# EAGLE board Mk4 Final Panel 8up 4x2 (EAGLE 9.0.1), part 2 of 23
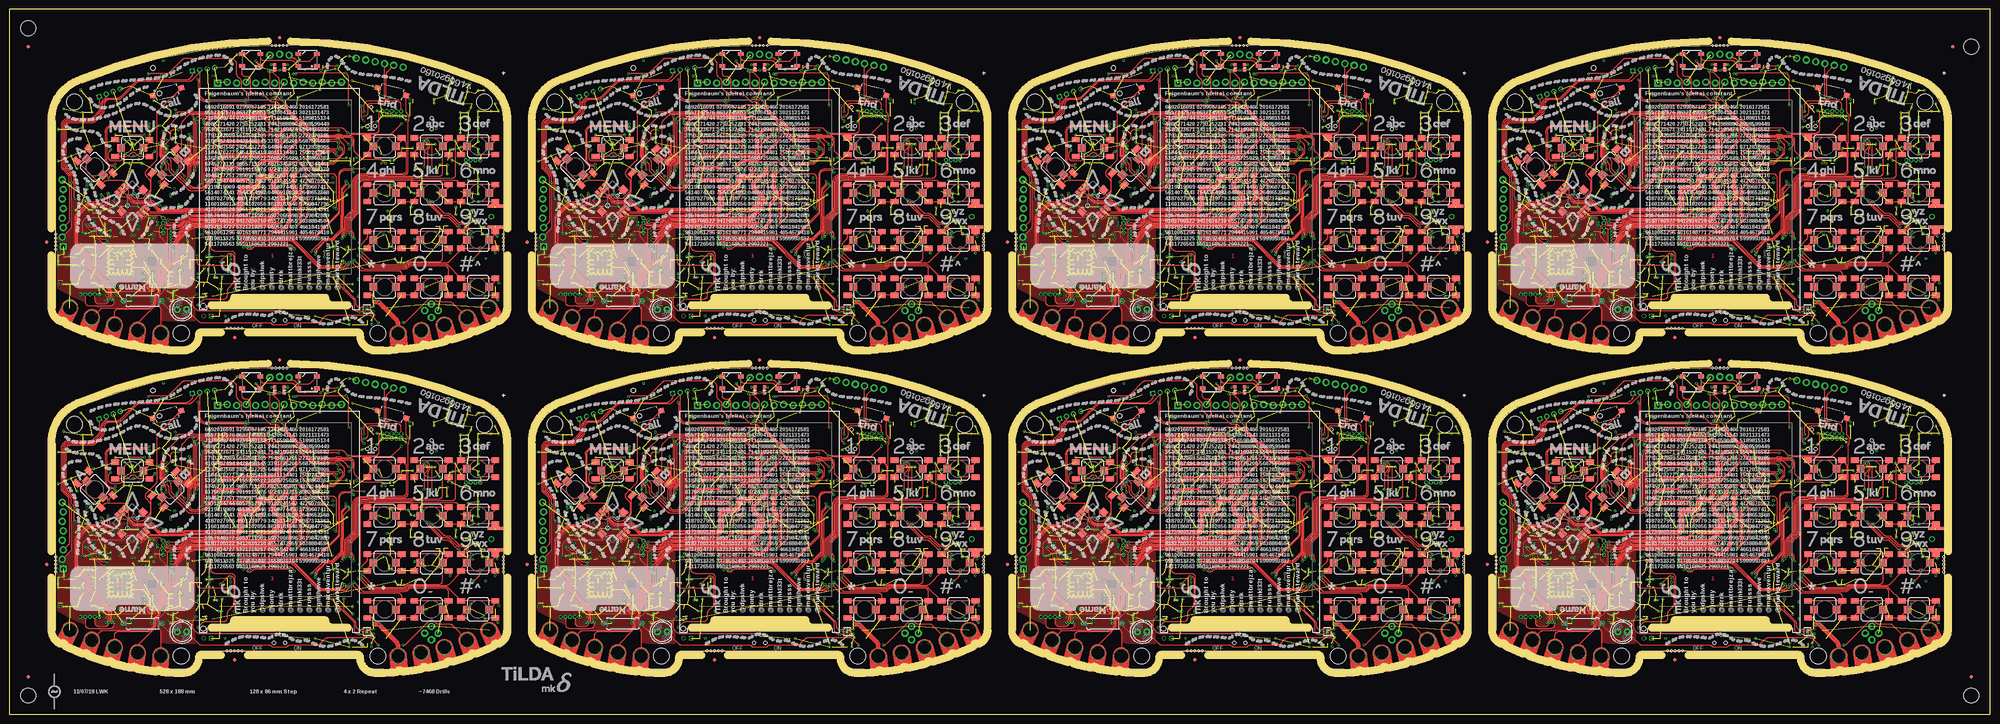
[diagram p0: board, top side]
## Placement (x,y rotation side) (continued)
C505  0402/100n/10V/X5R  [C0402-SMALLER]  352,67 0 bottom
C506  0402/100n/10V/X5R  [C0402-SMALLER]  352,66 0 bottom
C507  0402/220n/6V3/X5R  [C0402-SMALLER]  291.95,70.45 180 bottom
C508  0402/220n/6V3/X5R  [C0402-SMALLER]  291.95,71.45 180 bottom
C509  0402/100n/10V/X5R  [C0402-SMALLER]  289.05,61.45 270 bottom
C510  0402/100n/10V/X5R  [C0402-SMALLER]  285,49.25 180 bottom
C511  0402/100n/10V/X5R  [C0402-SMALLER]  276.25,41 270 bottom
C512  0402/100n/10V/X5R  [C0402-SMALLER]  279.5,35.25 0 bottom
C513  0805/10u/10V/X5R  [C0805-N]  279.85,46.1 90 bottom
C514  0402/100n/10V/X5R  [C0402-SMALLER]  282.1,42.25 90 bottom
C515  0402/100n/10V/X5R  [C0402-SMALLER]  292.75,38.75 180 bottom
C516  0603/1u/6V3/X5R  [C0603K-SMALL]  279.5,41.75 0 bottom
C517  0603/22u/4V/X5R  [C0603K-SMALL]  289.25,44.75 90 bottom
C518  0603/22u/4V/X5R  [C0603K-SMALL]  288,44.75 90 bottom
C519  0805/10u/10V/X5R  [C0805-N]  294.25,44 270 bottom
C520  0402/4u7/6V3/X5R  [C0402-SMALLER]  283.6,42 90 bottom
C521  0402/4u7/6V3/X5R  [C0402-SMALLER]  289.2,40.5 180 bottom
C522  0402/4u7/6V3/X5R  [C0402-SMALLER]  284.9,42.2 90 bottom
C523  0402/100n/10V/X5R  [C0402-SMALLER]  284,27 270 bottom
C524  0402/100n/10V/X5R  [C0402-SMALLER]  292,34.25 270 bottom
C525  0805/10u/10V/X5R  [C0805-N]  292.5,40.75 180 bottom
C526  0402/100n/10V/X5R  [C0402-SMALLER]  279.5,34.25 0 bottom
C527  0402/100n/10V/X5R  [C0402-SMALLER]  292.75,37.75 180 bottom
C528  0402/100n/10V/X5R  [C0402-SMALLER]  293,30.75 180 bottom
C529  0402/100n/10V/X5R  [C0402-SMALLER]  285,27 270 bottom
C530  0402/12p/50V/C0G  [C0402-SMALLER]  278.95,32.25 270 bottom
C531  0402/12p/50V/C0G  [C0402-SMALLER]  278.95,30.25 90 bottom
C532  0402/12p/50V/C0G  [C0402-SMALLER]  295.75,33.75 270 bottom
C533  0402/12p/50V/C0G  [C0402-SMALLER]  295.75,35.75 90 bottom
C534  0402/100n/10V/X5R  [C0402-SMALLER]  343,31.5 180 bottom
C535  0402/120p/50V/C0G  [C0402-SMALLER]  295.95,26.35 270 bottom
C536  0402/100n/10V/X5R  [C0402-SMALLER]  352.25,22 90 bottom
C537  0402/220n/6V3/X5R  [C0402-SMALLER]  291.95,72.4 180 bottom
C538  0402/220n/6V3/X5R  [C0402-SMALLER]  292,69.5 180 bottom
C539  0402/100n/10V/X5R  [C0402-SMALLER]  347.35,18.5 270 bottom
C540  0402/100n/10V/X5R  [C0402-SMALLER]  354,21.5 270 bottom
C541  0603/4u7/10V/X5R  [C0603K-SMALL]  447.75,52.25 180 bottom
C542  0402/100n/10V/X5R  [C0402-SMALLER]  447.75,51 180 bottom
C543  0603/1u/6V3/X5R  [C0603K-SMALL]  450.75,87.5 270 bottom
C544  0402/100n/10V/X5R  [C0402-SMALLER]  465.75,58.25 0 bottom
C545  0402/100n/10V/X5R  [C0402-SMALLER]  458.5,84.75 270 bottom
C546  0402/100n/10V/X5R  [C0402-SMALLER]  465.5,80.5 0 bottom
C547  0402/100n/10V/X5R  [C0402-SMALLER]  474.45,82.5 270 bottom
C548  0603/2u2/6V3/X5R  [C0603K-SMALL]  467,63.5 0 bottom
C549  0603/1u/6V3/X5R  [C0603K-SMALL]  467,62.25 0 bottom
C550  0402/100n/10V/X5R  [C0402-SMALLER]  457.75,75 270 bottom
C551  0402/100n/10V/X5R  [C0402-SMALLER]  465.5,65.25 90 bottom
C552  0402/100n/10V/X5R  [C0402-SMALLER]  446.75,64.6 270 bottom
C553  0402/100n/10V/X5R  [C0402-SMALLER]  455.5,74.25 0 bottom
C554  0402/100n/10V/X5R  [C0402-SMALLER]  456,55.5 180 bottom
C555  0402/100n/10V/X5R  [C0402-SMALLER]  458.75,55.5 180 bottom
C556  0603/1u/6V3/X5R  [C0603K-SMALL]  458.75,53.75 180 bottom
C557  0402/100n/10V/X5R  [C0402-SMALLER]  454.5,76.25 0 bottom
C558  0402/12p/50V/C0G  [C0402-SMALLER]  458.25,76.45 180 bottom
C559  0402/12p/50V/C0G  [C0402-SMALLER]  460.25,76.45 0 bottom
C560  0402/12p/50V/C0G  [C0402-SMALLER]  449.4,75 180 bottom
C561  0402/12p/50V/C0G  [C0402-SMALLER]  451.4,75 0 bottom
C562  0603/3n3/50V/X7R  [C0603K-SMALL]  472.5,89.5 90 bottom
C563  0402/100n/10V/X5R  [C0402-SMALLER]  470,37.75 180 bottom
C564  0402/100n/10V/X5R  [C0402-SMALLER]  440.25,73.5 0 bottom
C565  0402/100n/10V/X5R  [C0402-SMALLER]  440.25,68.75 0 bottom
C566  0402/100n/10V/X5R  [C0402-SMALLER]  425.25,66.25 180 bottom
C567  0402/100n/10V/X5R  [C0402-SMALLER]  440.25,64.75 0 bottom
C568  0402/100n/10V/X5R  [C0402-SMALLER]  440.25,75 0 bottom
C569  0402/100n/10V/X5R  [C0402-SMALLER]  425.25,71 180 bottom
C570  0402/100n/10V/X5R  [C0402-SMALLER]  440.25,54.25 0 bottom
C571  1411/100u/10V/Tant  [CT3528]  492.25,37.5 90 bottom
C572  0603/4u7/10V/X5R  [C0603K-SMALL]  497.5,39.75 180 bottom
C573  0402/100n/10V/X5R  [C0402-SMALLER]  499.25,42.75 180 bottom
C574  1411/100u/10V/Tant  [CT3528]  488.5,37.5 90 bottom
C575  0805/10u/10V/X5R  [C0805-N]  428.45,30.75 0 bottom
C576  0603/4u7/10V/X5R  [C0603K-SMALL]  429.45,26.35 90 bottom
C577  0805/10u/10V/X5R  [C0805-N]  428.45,28.75 0 bottom
C578  0805/10u/10V/X5R  [C0805-N]  477,27.75 270 bottom
C579  0805/10u/10V/X5R  [C0805-N]  439.75,32 180 bottom
C580  0805/10u/10V/X5R  [C0805-N]  432.75,38.5 90 bottom
C581  0603/4u7/10V/X5R  [C0603K-SMALL]  432.2,36.25 180 bottom
C582  0402/47n/10V/X5R  [C0402-SMALLER]  432.75,35.25 0 bottom
C583  0805/10u/10V/X5R  [C0805-N]  436.25,31 0 bottom
C584  0603/1u/6V3/X5R  [C0603K-SMALL]  433.75,40.75 0 bottom
C585  1210/100u/6V3/X5R  [C1210K]  422,49.25 270 bottom
C586  1210/100u/6V3/X5R  [C1210K]  419.25,25 0 bottom
C587  0402/22p/10V/C0G  [C0402-SMALLER]  497.5,64.5 270 bottom
C588  0402/22p/10V/C0G  [C0402-SMALLER]  494.5,64.5 270 bottom
C589  0402/22p/10V/C0G  [C0402-SMALLER]  492.5,64.5 270 bottom
C590  0402/100n/10V/X5R  [C0402-SMALLER]  511.25,26.25 180 bottom
C591  0402/33p/50V/C0G  [C0402-SMALLER]  494,78 0 bottom
C592  0402/10p/50V/C0G  [C0402-SMALLER]  492,77 0 bottom
C593  0402/33p/50V/C0G  [C0402-SMALLER]  496,78 180 bottom
C594  0402/33p/50V/C0G  [C0402-SMALLER]  492,78 0 bottom
C595  0402/10p/50V/C0G  [C0402-SMALLER]  494,77 0 bottom
C596  0402/10p/50V/C0G  [C0402-SMALLER]  496,77 180 bottom
C597  0402/33p/50V/C0G  [C0402-SMALLER]  485.5,58.5 90 bottom
C598  0402/10p/50V/C0G  [C0402-SMALLER]  486.5,60.5 90 bottom
C599  0402/33p/50V/C0G  [C0402-SMALLER]  485.5,56.5 270 bottom
C600  0402/33p/50V/C0G  [C0402-SMALLER]  485.5,60.5 90 bottom
C601  0402/10p/50V/C0G  [C0402-SMALLER]  486.5,58.5 90 bottom
C602  0402/10p/50V/C0G  [C0402-SMALLER]  486.5,56.5 270 bottom
C603  0402/100n/10V/X5R  [C0402-SMALLER]  475.25,62.45 180 bottom
C604  0402/100n/10V/X5R  [C0402-SMALLER]  490.75,73 270 bottom
C605  [C0402-SMALLER]  507.45,50.1 270 bottom
C606  [C0402-SMALLER]  508,47.5 180 bottom
C607  [C0402-SMALLER]  506.75,77 20 bottom
C608  [C0402-SMALLER]  507.75,79.75 20 bottom
C609  [C0402-SMALLER]  401.75,35.5 270 bottom
C610  [C0402-SMALLER]  398.5,35.5 270 bottom
C611  0402/1n/10V/X5R  [C0402-SMALLER]  477.5,69.75 0 bottom
C612  0402/2n2/10V/X5R  [C0402-SMALLER]  475.5,69.75 0 bottom
C613  0402/100n/10V/X5R  [C0402-SMALLER]  480,67 0 bottom
C614  0402/100n/10V/X5R  [C0402-SMALLER]  480,66 0 bottom
C615  0402/220n/6V3/X5R  [C0402-SMALLER]  419.95,70.45 180 bottom
C616  0402/220n/6V3/X5R  [C0402-SMALLER]  419.95,71.45 180 bottom
C617  0402/100n/10V/X5R  [C0402-SMALLER]  417.05,61.45 270 bottom
C618  0402/100n/10V/X5R  [C0402-SMALLER]  413,49.25 180 bottom
C619  0402/100n/10V/X5R  [C0402-SMALLER]  404.25,41 270 bottom
C620  0402/100n/10V/X5R  [C0402-SMALLER]  407.5,35.25 0 bottom
C621  0805/10u/10V/X5R  [C0805-N]  407.85,46.1 90 bottom
C622  0402/100n/10V/X5R  [C0402-SMALLER]  410.1,42.25 90 bottom
C623  0402/100n/10V/X5R  [C0402-SMALLER]  420.75,38.75 180 bottom
C624  0603/1u/6V3/X5R  [C0603K-SMALL]  407.5,41.75 0 bottom
C625  0603/22u/4V/X5R  [C0603K-SMALL]  417.25,44.75 90 bottom
C626  0603/22u/4V/X5R  [C0603K-SMALL]  416,44.75 90 bottom
C627  0805/10u/10V/X5R  [C0805-N]  422.25,44 270 bottom
C628  0402/4u7/6V3/X5R  [C0402-SMALLER]  411.6,42 90 bottom
C629  0402/4u7/6V3/X5R  [C0402-SMALLER]  417.2,40.5 180 bottom
C630  0402/4u7/6V3/X5R  [C0402-SMALLER]  412.9,42.2 90 bottom
C631  0402/100n/10V/X5R  [C0402-SMALLER]  412,27 270 bottom
C632  0402/100n/10V/X5R  [C0402-SMALLER]  420,34.25 270 bottom
C633  0805/10u/10V/X5R  [C0805-N]  420.5,40.75 180 bottom
C634  0402/100n/10V/X5R  [C0402-SMALLER]  407.5,34.25 0 bottom
C635  0402/100n/10V/X5R  [C0402-SMALLER]  420.75,37.75 180 bottom
C636  0402/100n/10V/X5R  [C0402-SMALLER]  421,30.75 180 bottom
C637  0402/100n/10V/X5R  [C0402-SMALLER]  413,27 270 bottom
C638  0402/12p/50V/C0G  [C0402-SMALLER]  406.95,32.25 270 bottom
C639  0402/12p/50V/C0G  [C0402-SMALLER]  406.95,30.25 90 bottom
C640  0402/12p/50V/C0G  [C0402-SMALLER]  423.75,33.75 270 bottom
C641  0402/12p/50V/C0G  [C0402-SMALLER]  423.75,35.75 90 bottom
C642  0402/100n/10V/X5R  [C0402-SMALLER]  471,31.5 180 bottom
C643  0402/120p/50V/C0G  [C0402-SMALLER]  423.95,26.35 270 bottom
C644  0402/100n/10V/X5R  [C0402-SMALLER]  480.25,22 90 bottom
C645  0402/220n/6V3/X5R  [C0402-SMALLER]  419.95,72.4 180 bottom
C646  0402/220n/6V3/X5R  [C0402-SMALLER]  420,69.5 180 bottom
C647  0402/100n/10V/X5R  [C0402-SMALLER]  475.35,18.5 270 bottom
C648  0402/100n/10V/X5R  [C0402-SMALLER]  482,21.5 270 bottom
C649  0603/4u7/10V/X5R  [C0603K-SMALL]  319.75,138.25 180 bottom
C650  0402/100n/10V/X5R  [C0402-SMALLER]  319.75,137 180 bottom
C651  0603/1u/6V3/X5R  [C0603K-SMALL]  322.75,173.5 270 bottom
C652  0402/100n/10V/X5R  [C0402-SMALLER]  337.75,144.25 0 bottom
C653  0402/100n/10V/X5R  [C0402-SMALLER]  330.5,170.75 270 bottom
C654  0402/100n/10V/X5R  [C0402-SMALLER]  337.5,166.5 0 bottom
C655  0402/100n/10V/X5R  [C0402-SMALLER]  346.45,168.5 270 bottom
C656  0603/2u2/6V3/X5R  [C0603K-SMALL]  339,149.5 0 bottom
C657  0603/1u/6V3/X5R  [C0603K-SMALL]  339,148.25 0 bottom
C658  0402/100n/10V/X5R  [C0402-SMALLER]  329.75,161 270 bottom
C659  0402/100n/10V/X5R  [C0402-SMALLER]  337.5,151.25 90 bottom
C660  0402/100n/10V/X5R  [C0402-SMALLER]  318.75,150.6 270 bottom
C661  0402/100n/10V/X5R  [C0402-SMALLER]  327.5,160.25 0 bottom
C662  0402/100n/10V/X5R  [C0402-SMALLER]  328,141.5 180 bottom
C663  0402/100n/10V/X5R  [C0402-SMALLER]  330.75,141.5 180 bottom
C664  0603/1u/6V3/X5R  [C0603K-SMALL]  330.75,139.75 180 bottom
C665  0402/100n/10V/X5R  [C0402-SMALLER]  326.5,162.25 0 bottom
C666  0402/12p/50V/C0G  [C0402-SMALLER]  330.25,162.45 180 bottom
C667  0402/12p/50V/C0G  [C0402-SMALLER]  332.25,162.45 0 bottom
C668  0402/12p/50V/C0G  [C0402-SMALLER]  321.4,161 180 bottom
C669  0402/12p/50V/C0G  [C0402-SMALLER]  323.4,161 0 bottom
C670  0603/3n3/50V/X7R  [C0603K-SMALL]  344.5,175.5 90 bottom
C671  0402/100n/10V/X5R  [C0402-SMALLER]  342,123.75 180 bottom
C672  0402/100n/10V/X5R  [C0402-SMALLER]  312.25,159.5 0 bottom
C673  0402/100n/10V/X5R  [C0402-SMALLER]  312.25,154.75 0 bottom
C674  0402/100n/10V/X5R  [C0402-SMALLER]  297.25,152.25 180 bottom
C675  0402/100n/10V/X5R  [C0402-SMALLER]  312.25,150.75 0 bottom
C676  0402/100n/10V/X5R  [C0402-SMALLER]  312.25,161 0 bottom
C677  0402/100n/10V/X5R  [C0402-SMALLER]  297.25,157 180 bottom
C678  0402/100n/10V/X5R  [C0402-SMALLER]  312.25,140.25 0 bottom
C679  1411/100u/10V/Tant  [CT3528]  364.25,123.5 90 bottom
C680  0603/4u7/10V/X5R  [C0603K-SMALL]  369.5,125.75 180 bottom
C681  0402/100n/10V/X5R  [C0402-SMALLER]  371.25,128.75 180 bottom
C682  1411/100u/10V/Tant  [CT3528]  360.5,123.5 90 bottom
C683  0805/10u/10V/X5R  [C0805-N]  300.45,116.75 0 bottom
C684  0603/4u7/10V/X5R  [C0603K-SMALL]  301.45,112.35 90 bottom
C685  0805/10u/10V/X5R  [C0805-N]  300.45,114.75 0 bottom
C686  0805/10u/10V/X5R  [C0805-N]  349,113.75 270 bottom
C687  0805/10u/10V/X5R  [C0805-N]  311.75,118 180 bottom
C688  0805/10u/10V/X5R  [C0805-N]  304.75,124.5 90 bottom
C689  0603/4u7/10V/X5R  [C0603K-SMALL]  304.2,122.25 180 bottom
C690  0402/47n/10V/X5R  [C0402-SMALLER]  304.75,121.25 0 bottom
C691  0805/10u/10V/X5R  [C0805-N]  308.25,117 0 bottom
C692  0603/1u/6V3/X5R  [C0603K-SMALL]  305.75,126.75 0 bottom
C693  1210/100u/6V3/X5R  [C1210K]  294,135.25 270 bottom
C694  1210/100u/6V3/X5R  [C1210K]  291.25,111 0 bottom
C695  0402/22p/10V/C0G  [C0402-SMALLER]  369.5,150.5 270 bottom
C696  0402/22p/10V/C0G  [C0402-SMALLER]  366.5,150.5 270 bottom
C697  0402/22p/10V/C0G  [C0402-SMALLER]  364.5,150.5 270 bottom
C698  0402/100n/10V/X5R  [C0402-SMALLER]  383.25,112.25 180 bottom
C699  0402/33p/50V/C0G  [C0402-SMALLER]  366,164 0 bottom
C700  0402/10p/50V/C0G  [C0402-SMALLER]  364,163 0 bottom
C701  0402/33p/50V/C0G  [C0402-SMALLER]  368,164 180 bottom
C702  0402/33p/50V/C0G  [C0402-SMALLER]  364,164 0 bottom
C703  0402/10p/50V/C0G  [C0402-SMALLER]  366,163 0 bottom
C704  0402/10p/50V/C0G  [C0402-SMALLER]  368,163 180 bottom
C705  0402/33p/50V/C0G  [C0402-SMALLER]  357.5,144.5 90 bottom
C706  0402/10p/50V/C0G  [C0402-SMALLER]  358.5,146.5 90 bottom
C707  0402/33p/50V/C0G  [C0402-SMALLER]  357.5,142.5 270 bottom
C708  0402/33p/50V/C0G  [C0402-SMALLER]  357.5,146.5 90 bottom
C709  0402/10p/50V/C0G  [C0402-SMALLER]  358.5,144.5 90 bottom
C710  0402/10p/50V/C0G  [C0402-SMALLER]  358.5,142.5 270 bottom
C711  0402/100n/10V/X5R  [C0402-SMALLER]  347.25,148.45 180 bottom
C712  0402/100n/10V/X5R  [C0402-SMALLER]  362.75,159 270 bottom
C713  [C0402-SMALLER]  379.45,136.1 270 bottom
C714  [C0402-SMALLER]  380,133.5 180 bottom
C715  [C0402-SMALLER]  378.75,163 20 bottom
C716  [C0402-SMALLER]  379.75,165.75 20 bottom
C717  [C0402-SMALLER]  273.75,121.5 270 bottom
C718  [C0402-SMALLER]  270.5,121.5 270 bottom
C719  0402/1n/10V/X5R  [C0402-SMALLER]  349.5,155.75 0 bottom
C720  0402/2n2/10V/X5R  [C0402-SMALLER]  347.5,155.75 0 bottom
C721  0402/100n/10V/X5R  [C0402-SMALLER]  352,153 0 bottom
C722  0402/100n/10V/X5R  [C0402-SMALLER]  352,152 0 bottom
C723  0402/220n/6V3/X5R  [C0402-SMALLER]  291.95,156.45 180 bottom
C724  0402/220n/6V3/X5R  [C0402-SMALLER]  291.95,157.45 180 bottom
C725  0402/100n/10V/X5R  [C0402-SMALLER]  289.05,147.45 270 bottom
C726  0402/100n/10V/X5R  [C0402-SMALLER]  285,135.25 180 bottom
C727  0402/100n/10V/X5R  [C0402-SMALLER]  276.25,127 270 bottom
C728  0402/100n/10V/X5R  [C0402-SMALLER]  279.5,121.25 0 bottom
C729  0805/10u/10V/X5R  [C0805-N]  279.85,132.1 90 bottom
C730  0402/100n/10V/X5R  [C0402-SMALLER]  282.1,128.25 90 bottom
C731  0402/100n/10V/X5R  [C0402-SMALLER]  292.75,124.75 180 bottom
C732  0603/1u/6V3/X5R  [C0603K-SMALL]  279.5,127.75 0 bottom
C733  0603/22u/4V/X5R  [C0603K-SMALL]  289.25,130.75 90 bottom
C734  0603/22u/4V/X5R  [C0603K-SMALL]  288,130.75 90 bottom
C735  0805/10u/10V/X5R  [C0805-N]  294.25,130 270 bottom
C736  0402/4u7/6V3/X5R  [C0402-SMALLER]  283.6,128 90 bottom
C737  0402/4u7/6V3/X5R  [C0402-SMALLER]  289.2,126.5 180 bottom
C738  0402/4u7/6V3/X5R  [C0402-SMALLER]  284.9,128.2 90 bottom
C739  0402/100n/10V/X5R  [C0402-SMALLER]  284,113 270 bottom
C740  0402/100n/10V/X5R  [C0402-SMALLER]  292,120.25 270 bottom
C741  0805/10u/10V/X5R  [C0805-N]  292.5,126.75 180 bottom
C742  0402/100n/10V/X5R  [C0402-SMALLER]  279.5,120.25 0 bottom
C743  0402/100n/10V/X5R  [C0402-SMALLER]  292.75,123.75 180 bottom
C744  0402/100n/10V/X5R  [C0402-SMALLER]  293,116.75 180 bottom
C745  0402/100n/10V/X5R  [C0402-SMALLER]  285,113 270 bottom
C746  0402/12p/50V/C0G  [C0402-SMALLER]  278.95,118.25 270 bottom
C747  0402/12p/50V/C0G  [C0402-SMALLER]  278.95,116.25 90 bottom
C748  0402/12p/50V/C0G  [C0402-SMALLER]  295.75,119.75 270 bottom
C749  0402/12p/50V/C0G  [C0402-SMALLER]  295.75,121.75 90 bottom
C750  0402/100n/10V/X5R  [C0402-SMALLER]  343,117.5 180 bottom
C751  0402/120p/50V/C0G  [C0402-SMALLER]  295.95,112.35 270 bottom
C752  0402/100n/10V/X5R  [C0402-SMALLER]  352.25,108 90 bottom
C753  0402/220n/6V3/X5R  [C0402-SMALLER]  291.95,158.4 180 bottom
C754  0402/220n/6V3/X5R  [C0402-SMALLER]  292,155.5 180 bottom
C755  0402/100n/10V/X5R  [C0402-SMALLER]  347.35,104.5 270 bottom
C756  0402/100n/10V/X5R  [C0402-SMALLER]  354,107.5 270 bottom
C757  0603/4u7/10V/X5R  [C0603K-SMALL]  447.75,138.25 180 bottom
C758  0402/100n/10V/X5R  [C0402-SMALLER]  447.75,137 180 bottom
C759  0603/1u/6V3/X5R  [C0603K-SMALL]  450.75,173.5 270 bottom
C760  0402/100n/10V/X5R  [C0402-SMALLER]  465.75,144.25 0 bottom
C761  0402/100n/10V/X5R  [C0402-SMALLER]  458.5,170.75 270 bottom
C762  0402/100n/10V/X5R  [C0402-SMALLER]  465.5,166.5 0 bottom
C763  0402/100n/10V/X5R  [C0402-SMALLER]  474.45,168.5 270 bottom
C764  0603/2u2/6V3/X5R  [C0603K-SMALL]  467,149.5 0 bottom
C765  0603/1u/6V3/X5R  [C0603K-SMALL]  467,148.25 0 bottom
C766  0402/100n/10V/X5R  [C0402-SMALLER]  457.75,161 270 bottom
C767  0402/100n/10V/X5R  [C0402-SMALLER]  465.5,151.25 90 bottom
C768  0402/100n/10V/X5R  [C0402-SMALLER]  446.75,150.6 270 bottom
C769  0402/100n/10V/X5R  [C0402-SMALLER]  455.5,160.25 0 bottom
C770  0402/100n/10V/X5R  [C0402-SMALLER]  456,141.5 180 bottom
C771  0402/100n/10V/X5R  [C0402-SMALLER]  458.75,141.5 180 bottom
C772  0603/1u/6V3/X5R  [C0603K-SMALL]  458.75,139.75 180 bottom
C773  0402/100n/10V/X5R  [C0402-SMALLER]  454.5,162.25 0 bottom
C774  0402/12p/50V/C0G  [C0402-SMALLER]  458.25,162.45 180 bottom
C775  0402/12p/50V/C0G  [C0402-SMALLER]  460.25,162.45 0 bottom
C776  0402/12p/50V/C0G  [C0402-SMALLER]  449.4,161 180 bottom
C777  0402/12p/50V/C0G  [C0402-SMALLER]  451.4,161 0 bottom
C778  0603/3n3/50V/X7R  [C0603K-SMALL]  472.5,175.5 90 bottom
C779  0402/100n/10V/X5R  [C0402-SMALLER]  470,123.75 180 bottom
C780  0402/100n/10V/X5R  [C0402-SMALLER]  440.25,159.5 0 bottom
C781  0402/100n/10V/X5R  [C0402-SMALLER]  440.25,154.75 0 bottom
C782  0402/100n/10V/X5R  [C0402-SMALLER]  425.25,152.25 180 bottom
C783  0402/100n/10V/X5R  [C0402-SMALLER]  440.25,150.75 0 bottom
C784  0402/100n/10V/X5R  [C0402-SMALLER]  440.25,161 0 bottom
C785  0402/100n/10V/X5R  [C0402-SMALLER]  425.25,157 180 bottom
C786  0402/100n/10V/X5R  [C0402-SMALLER]  440.25,140.25 0 bottom
C787  1411/100u/10V/Tant  [CT3528]  492.25,123.5 90 bottom
C788  0603/4u7/10V/X5R  [C0603K-SMALL]  497.5,125.75 180 bottom
C789  0402/100n/10V/X5R  [C0402-SMALLER]  499.25,128.75 180 bottom
C790  1411/100u/10V/Tant  [CT3528]  488.5,123.5 90 bottom
C791  0805/10u/10V/X5R  [C0805-N]  428.45,116.75 0 bottom
C792  0603/4u7/10V/X5R  [C0603K-SMALL]  429.45,112.35 90 bottom
C793  0805/10u/10V/X5R  [C0805-N]  428.45,114.75 0 bottom
C794  0805/10u/10V/X5R  [C0805-N]  477,113.75 270 bottom
C795  0805/10u/10V/X5R  [C0805-N]  439.75,118 180 bottom
C796  0805/10u/10V/X5R  [C0805-N]  432.75,124.5 90 bottom
C797  0603/4u7/10V/X5R  [C0603K-SMALL]  432.2,122.25 180 bottom
C798  0402/47n/10V/X5R  [C0402-SMALLER]  432.75,121.25 0 bottom
C799  0805/10u/10V/X5R  [C0805-N]  436.25,117 0 bottom
C800  0603/1u/6V3/X5R  [C0603K-SMALL]  433.75,126.75 0 bottom
C801  1210/100u/6V3/X5R  [C1210K]  422,135.25 270 bottom
C802  1210/100u/6V3/X5R  [C1210K]  419.25,111 0 bottom
C803  0402/22p/10V/C0G  [C0402-SMALLER]  497.5,150.5 270 bottom
C804  0402/22p/10V/C0G  [C0402-SMALLER]  494.5,150.5 270 bottom
C805  0402/22p/10V/C0G  [C0402-SMALLER]  492.5,150.5 270 bottom
C806  0402/100n/10V/X5R  [C0402-SMALLER]  511.25,112.25 180 bottom
C807  0402/33p/50V/C0G  [C0402-SMALLER]  494,164 0 bottom
C808  0402/10p/50V/C0G  [C0402-SMALLER]  492,163 0 bottom
C809  0402/33p/50V/C0G  [C0402-SMALLER]  496,164 180 bottom
C810  0402/33p/50V/C0G  [C0402-SMALLER]  492,164 0 bottom
C811  0402/10p/50V/C0G  [C0402-SMALLER]  494,163 0 bottom
C812  0402/10p/50V/C0G  [C0402-SMALLER]  496,163 180 bottom
C813  0402/33p/50V/C0G  [C0402-SMALLER]  485.5,144.5 90 bottom
C814  0402/10p/50V/C0G  [C0402-SMALLER]  486.5,146.5 90 bottom
C815  0402/33p/50V/C0G  [C0402-SMALLER]  485.5,142.5 270 bottom
C816  0402/33p/50V/C0G  [C0402-SMALLER]  485.5,146.5 90 bottom
C817  0402/10p/50V/C0G  [C0402-SMALLER]  486.5,144.5 90 bottom
C818  0402/10p/50V/C0G  [C0402-SMALLER]  486.5,142.5 270 bottom
C819  0402/100n/10V/X5R  [C0402-SMALLER]  475.25,148.45 180 bottom
C820  0402/100n/10V/X5R  [C0402-SMALLER]  490.75,159 270 bottom
C821  [C0402-SMALLER]  507.45,136.1 270 bottom
C822  [C0402-SMALLER]  508,133.5 180 bottom
C823  [C0402-SMALLER]  506.75,163 20 bottom
C824  [C0402-SMALLER]  507.75,165.75 20 bottom
C825  [C0402-SMALLER]  401.75,121.5 270 bottom
C826  [C0402-SMALLER]  398.5,121.5 270 bottom
C827  0402/1n/10V/X5R  [C0402-SMALLER]  477.5,155.75 0 bottom
C828  0402/2n2/10V/X5R  [C0402-SMALLER]  475.5,155.75 0 bottom
C829  0402/100n/10V/X5R  [C0402-SMALLER]  480,153 0 bottom
C830  0402/100n/10V/X5R  [C0402-SMALLER]  480,152 0 bottom
C831  0402/220n/6V3/X5R  [C0402-SMALLER]  419.95,156.45 180 bottom
C832  0402/220n/6V3/X5R  [C0402-SMALLER]  419.95,157.45 180 bottom
C833  0402/100n/10V/X5R  [C0402-SMALLER]  417.05,147.45 270 bottom
C834  0402/100n/10V/X5R  [C0402-SMALLER]  413,135.25 180 bottom
C835  0402/100n/10V/X5R  [C0402-SMALLER]  404.25,127 270 bottom
C836  0402/100n/10V/X5R  [C0402-SMALLER]  407.5,121.25 0 bottom
C837  0805/10u/10V/X5R  [C0805-N]  407.85,132.1 90 bottom
C838  0402/100n/10V/X5R  [C0402-SMALLER]  410.1,128.25 90 bottom
C839  0402/100n/10V/X5R  [C0402-SMALLER]  420.75,124.75 180 bottom
C840  0603/1u/6V3/X5R  [C0603K-SMALL]  407.5,127.75 0 bottom
C841  0603/22u/4V/X5R  [C0603K-SMALL]  417.25,130.75 90 bottom
C842  0603/22u/4V/X5R  [C0603K-SMALL]  416,130.75 90 bottom
C843  0805/10u/10V/X5R  [C0805-N]  422.25,130 270 bottom
C844  0402/4u7/6V3/X5R  [C0402-SMALLER]  411.6,128 90 bottom
C845  0402/4u7/6V3/X5R  [C0402-SMALLER]  417.2,126.5 180 bottom
C846  0402/4u7/6V3/X5R  [C0402-SMALLER]  412.9,128.2 90 bottom
C847  0402/100n/10V/X5R  [C0402-SMALLER]  412,113 270 bottom
C848  0402/100n/10V/X5R  [C0402-SMALLER]  420,120.25 270 bottom
C849  0805/10u/10V/X5R  [C0805-N]  420.5,126.75 180 bottom
C850  0402/100n/10V/X5R  [C0402-SMALLER]  407.5,120.25 0 bottom
C851  0402/100n/10V/X5R  [C0402-SMALLER]  420.75,123.75 180 bottom
C852  0402/100n/10V/X5R  [C0402-SMALLER]  421,116.75 180 bottom
C853  0402/100n/10V/X5R  [C0402-SMALLER]  413,113 270 bottom
C854  0402/12p/50V/C0G  [C0402-SMALLER]  406.95,118.25 270 bottom
C855  0402/12p/50V/C0G  [C0402-SMALLER]  406.95,116.25 90 bottom
C856  0402/12p/50V/C0G  [C0402-SMALLER]  423.75,119.75 270 bottom
C857  0402/12p/50V/C0G  [C0402-SMALLER]  423.75,121.75 90 bottom
C858  0402/100n/10V/X5R  [C0402-SMALLER]  471,117.5 180 bottom
C859  0402/120p/50V/C0G  [C0402-SMALLER]  423.95,112.35 270 bottom
C860  0402/100n/10V/X5R  [C0402-SMALLER]  480.25,108 90 bottom
C861  0402/220n/6V3/X5R  [C0402-SMALLER]  419.95,158.4 180 bottom
C862  0402/220n/6V3/X5R  [C0402-SMALLER]  420,155.5 180 bottom
C863  0402/100n/10V/X5R  [C0402-SMALLER]  475.35,104.5 270 bottom
C864  0402/100n/10V/X5R  [C0402-SMALLER]  482,107.5 270 bottom
D1  MMSZ5231BT1G  [SOD123]  111,37.5 90 bottom
D2  LXES15AAA1-153  [R0402-SMALLER]  124,46.5 0 bottom
D3  MMSZ5231BT1G  [SOD123]  239,37.5 90 bottom
D4  LXES15AAA1-153  [R0402-SMALLER]  252,46.5 0 bottom
D5  MMSZ5231BT1G  [SOD123]  111,123.5 90 bottom
D6  LXES15AAA1-153  [R0402-SMALLER]  124,132.5 0 bottom
D7  MMSZ5231BT1G  [SOD123]  239,123.5 90 bottom
D8  LXES15AAA1-153  [R0402-SMALLER]  252,132.5 0 bottom
D9  MMSZ5231BT1G  [SOD123]  367,37.5 90 bottom
D10  LXES15AAA1-153  [R0402-SMALLER]  380,46.5 0 bottom
D11  MMSZ5231BT1G  [SOD123]  495,37.5 90 bottom
D12  LXES15AAA1-153  [R0402-SMALLER]  508,46.5 0 bottom
D13  MMSZ5231BT1G  [SOD123]  367,123.5 90 bottom
D14  LXES15AAA1-153  [R0402-SMALLER]  380,132.5 0 bottom
D15  MMSZ5231BT1G  [SOD123]  495,123.5 90 bottom
D16  LXES15AAA1-153  [R0402-SMALLER]  508,132.5 0 bottom
E$1  [FIDUCIAL-1X2.5-STOP]  523,10 0 top
E$2  [FIDUCIAL-1X2.5-STOP]  518,178 0 top
E$3  [FIDUCIAL-1X2.5-STOP]  5,178 0 top
E$4  [TILDA_ARTWORK]  131,9 0 top
E$5  [EMFLOGO1]  12,6 0 top
E$6  [FIDUCIAL-1X2.5-STOP]  5,10 0 bottom
E$7  [FIDUCIAL-1X2.5-STOP]  5,178 0 bottom
E$8  [FIDUCIAL-1X2.5-STOP]  518,178 0 bottom
E$9  [FIDUCIAL-1X2.5-STOP]  523,10 0 bottom
E$10  [FIDUCIAL-1X2.5-STOP]  5,10 0 top
E$11  [TILDA_ARTWORK_MKDELTA]  142,6 0 top
FID1  FIDUCIAL1X2.5-STOP  [FIDUCIAL-1X2.5-STOP]  60,14.5 270 top
FID2  FIDUCIAL1X2.5-STOP  [FIDUCIAL-1X2.5-STOP]  10,40 180 bottom
FID3  FIDUCIAL1X2.5-STOP  [FIDUCIAL-1X2.5-STOP]  72,94.5 180 top
FID4  FIDUCIAL1X2.5-STOP  [FIDUCIAL-1X2.5-STOP]  72,94.5 180 bottom
FID5  FIDUCIAL1X2.5-STOP  [FIDUCIAL-1X2.5-STOP]  10,40 180 top
FID6  FIDUCIAL1X2.5-STOP  [FIDUCIAL-1X2.5-STOP]  60,14.5 270 bottom
FID7  FIDUCIAL1X2.5-STOP  [FIDUCIAL-1X2.5-STOP]  188,14.5 270 top
FID8  FIDUCIAL1X2.5-STOP  [FIDUCIAL-1X2.5-STOP]  200,94.5 180 bottom
FID9  FIDUCIAL1X2.5-STOP  [FIDUCIAL-1X2.5-STOP]  200,94.5 180 top
FID10  FIDUCIAL1X2.5-STOP  [FIDUCIAL-1X2.5-STOP]  188,14.5 270 bottom
FID11  FIDUCIAL1X2.5-STOP  [FIDUCIAL-1X2.5-STOP]  138,40 180 bottom
FID12  FIDUCIAL1X2.5-STOP  [FIDUCIAL-1X2.5-STOP]  138,40 180 top
FID13  FIDUCIAL1X2.5-STOP  [FIDUCIAL-1X2.5-STOP]  60,100.5 270 top
FID14  FIDUCIAL1X2.5-STOP  [FIDUCIAL-1X2.5-STOP]  72,180.5 180 bottom
FID15  FIDUCIAL1X2.5-STOP  [FIDUCIAL-1X2.5-STOP]  72,180.5 180 top
FID16  FIDUCIAL1X2.5-STOP  [FIDUCIAL-1X2.5-STOP]  60,100.5 270 bottom
FID17  FIDUCIAL1X2.5-STOP  [FIDUCIAL-1X2.5-STOP]  10,126 180 bottom
FID18  FIDUCIAL1X2.5-STOP  [FIDUCIAL-1X2.5-STOP]  10,126 180 top
FID19  FIDUCIAL1X2.5-STOP  [FIDUCIAL-1X2.5-STOP]  188,100.5 270 top
FID20  FIDUCIAL1X2.5-STOP  [FIDUCIAL-1X2.5-STOP]  200,180.5 180 bottom